# Altium PCB HSBNE-IO.PcbDoc (part 2 of 2)
Units mm, origin at the board's own origin, x right, y up, seen from the top; angles counter-clockwise.
Board outline 100.03 x 80.03 mm, 2 copper layers (Top Layer, Bottom Layer); 108 components, 162 nets, 597 pads, 281 vias.
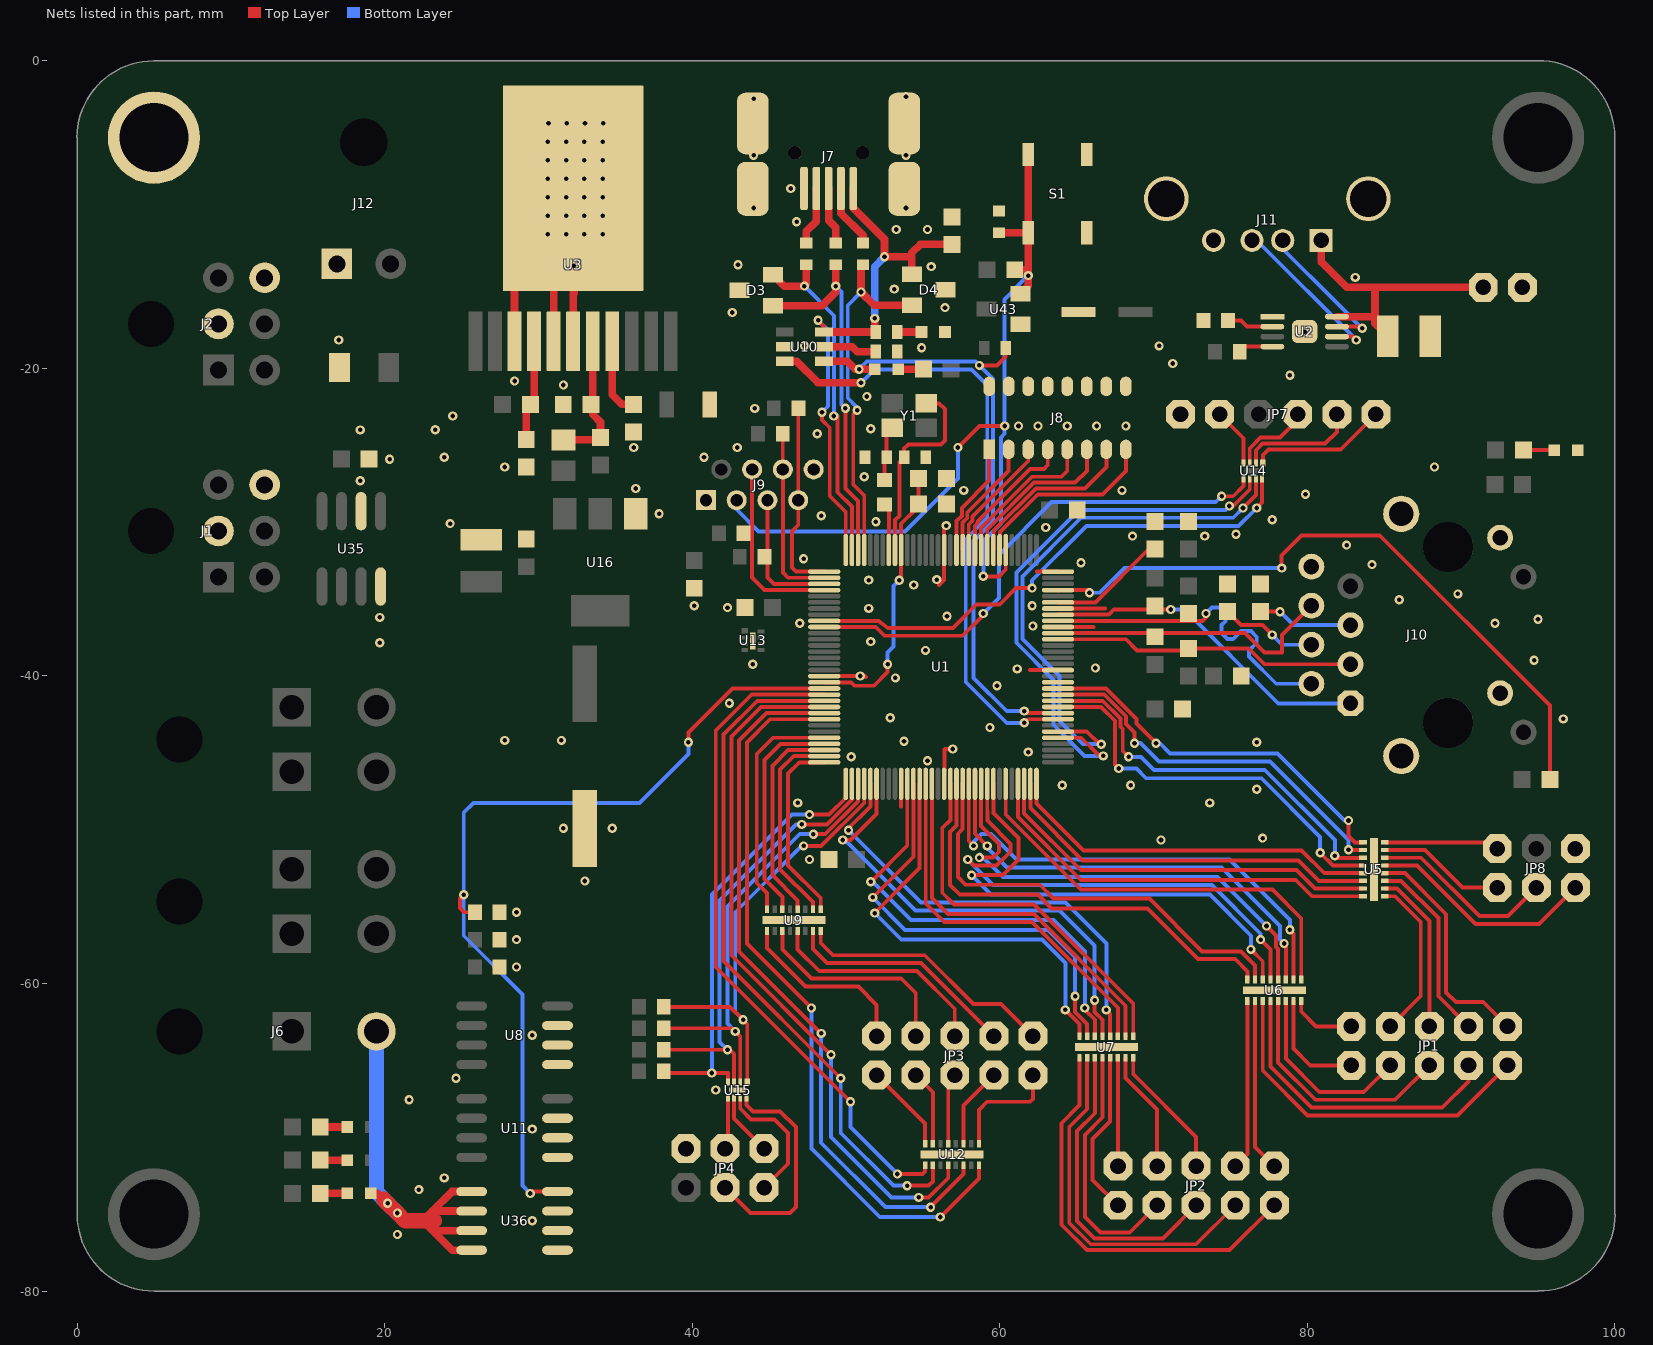
[diagram p2: the nets of this part, all layers, seen from the top]

## Via types
v1: diameter 0.6, hole 0.3, Top Layer to Bottom Layer, tented both sides, 248 vias
v2: diameter 0.6, hole 0.3, Top Layer to Bottom Layer, tented bottom, 33 vias

## Nets (pads, with @x,y where several pads share a name; then routed paths per layer and width w, separated by ;. In a path a pad name is that pad's centre, name@x,y a point inside that pad or via, vN(x,y) a via of type N, cw(c..) or ccw(c..) an arc to the next point about the centre after c; other vN are vias at no path point) (continued)
F\A\U\L\T\: D6.2 R4.1 U1.41 U10.4 | length 41.8
  Top Layer w0.254: v1(58.674,-19.812) 59.817,-19.812 60.39,-19.239 R4.1@60.39,-18.669 ; v1(61.595,-42.291) 61.725,-42.421 U1.41@63.785,-42.421
  Top Layer w0.5: U10.4@48.575,-19.543 50.084,-19.543 50.597,-20.056 v1(50.851,-20.056) D6.2@51.867,-20.056
  Bottom Layer w0.254: v1(50.851,-20.056) 51.349,-19.558 58.42,-19.558 v1(58.674,-19.812) 59.563,-20.701 59.563,-29.972 58.293,-31.242 58.293,-40.132 60.452,-42.291 v1(61.595,-42.291)
F_CTS: JP7.5 U14.4 | length 3.8
  Top Layer w0.254: JP7.5@74.295,-22.987 75.854,-24.546 U14.4@75.854,-26.145
F_RTS: JP7.1 U14.1 | length 9
  Top Layer w0.254: U14.1@77.104,-26.145 77.104,-25.639 77.47,-25.273 82.169,-25.273 JP7.1@84.455,-22.987
F_RX: JP7.3 U14.3 | length 5.2
  Top Layer w0.254: U14.3@76.254,-26.145 76.254,-25.219 76.962,-24.511 78.232,-24.511 79.375,-23.368 JP7.3@79.375,-22.987
F_TX: JP7.2 U14.2 | length 7.7
  Top Layer w0.254: U14.2@76.654,-26.145 76.654,-25.327 77.089,-24.892 81.153,-24.892 81.915,-24.13 JP7.2@81.915,-22.987
GND: C2.2 C3.1 C4.- C5.1 C6.- C7.2 C8.2 C9.2 C10.2 C11.1 C12.1 C14.1 C15.1 C16.1 C17.1 C18.1 C19.1 C20.1 C21.1 C22.1 C23.1 C24.1 C25.1 C26.1 D1.2 D2.2 D3.3 D4.3 J1.2 J1.6 J2.2 J2.6 J4.2 J7.5 J7.6 J7.7 J7.8 J7.9 J8.9 J8.10 J8.11 J8.12 J8.13 J8.14 J8.15 J8.16 J9.1 J9.8 J10.8 J10.10 J10.12 J10.GND1 J10.GND2 J11.4 J11.5 J11.6 J12.1 JP4.2 JP7.6 JP8.6 pad.@5,-5 R6.1 R8.1 R9.1 R21.1 R25.1 R26.1 R27.1 R28.1 S1.1 S1.2 U1.10 U1.17 U1.48 U1.55 U1.58 U1.64 U1.80 U1.114 U2.1 U2.9 U3.3 U3.5 U3.6 U3.12 U5.17 U6.17 U7.17 U8.1 U8.2 U8.3 U9.17 U10.2 U11.1 U11.2 U11.3 U12.17 U13.9 U15.9 U16.1 U35.2 U35.8 U36.1 U36.2 U36.3 U43.1 | length 41.2
  Top Layer w0.254: U1.114@48.585,-40.021 51.247,-40.021 51.293,-40.067 ; 53.585,-48.505 U1.10@53.585,-47.021 ; 56.058,-34.087 56.374,-33.771 56.374,-31.832 U1.80@56.385,-31.821 56.385,-30.229 56.388,-30.226 v1(56.515,-30.226) ; U1.17@56.385,-47.021 56.385,-46.188 56.396,-46.177 56.396,-44.798 ; 56.439,-44.755 v1(56.947,-44.755) ; 61.962,-39.61 63.785,-39.61 U1.48@63.785,-39.621 ; 62.41,-33.221 U1.64@63.785,-33.221 ; U1.55@63.785,-36.821 66.091,-36.821 ; U1.58@63.785,-35.621 66.843,-35.621
  Top Layer w0.5: U3.3@28.448,-18.241 U3.12@28.448,-12.101 ; U3.5@30.988,-18.241 U3.12@30.988,-9.561 ; U3.6@32.258,-18.241 U3.12@32.258,-14.275 ; 32.309,-15.119 v1(32.309,-13.335) U3.12@32.309,-12.309
  other v1: 20.828,-76.327 29.591,-75.438 22.225,-73.406 23.876,-72.644 29.591,-69.469 21.59,-67.564 41.529,-66.929 24.638,-66.167 29.591,-63.373 28.575,-58.928 28.575,-57.15 28.575,-55.372 33.02,-53.34 47.625,-51.943 70.485,-50.673 77.089,-50.546 31.623,-49.911 34.798,-49.911 46.863,-48.26 73.66,-48.26 76.708,-47.371 64.059,-47.107 68.504,-47.107 55.296,-45.517 50.343,-45.263 61.849,-44.958 76.708,-44.323 53.772,-44.247 27.813,-44.196 31.496,-44.196 59.36,-43.358 96.647,-42.799 52.883,-42.723 42.418,-41.783 59.817,-40.64 53.213,-40.132 50.927,-40.005 61.138,-39.548 66.218,-39.487 43.942,-39.243 94.742,-38.989 55.169,-38.344 19.685,-37.846 51.613,-37.77 62.154,-36.754 46.99,-36.576 92.202,-36.576 94.996,-36.322 19.685,-36.195 56.566,-36.119 51.486,-35.611 42.291,-35.56 40.132,-35.433 62.103,-35.433 85.979,-35.052 89.789,-34.671 54.407,-34.087 51.486,-33.772 55.9,-33.737 84.201,-32.766 65.278,-32.639 47.244,-32.385 82.55,-31.496 68.631,-30.912 73.33,-30.912 75.362,-30.785 62.992,-30.353 24.257,-30.099 51.943,-29.972 77.724,-29.845 48.387,-29.591 37.846,-29.464 79.883,-28.194 57.658,-27.94 67.945,-27.94 36.322,-27.813 18.415,-27.305 51.181,-27.051 27.813,-26.416 88.265,-26.416 20.32,-25.908 23.876,-25.781 40.767,-25.781 36.195,-25.146 42.926,-25.146 48.133,-24.257 18.415,-24.003 23.292,-23.993 51.613,-23.927 61.214,-23.749 62.484,-23.749 64.389,-23.749 66.294,-23.749 68.199,-23.749 24.435,-23.104 44.069,-22.606 51.359,-21.834 31.623,-21.082 28.448,-20.828 78.867,-20.447 71.247,-19.685 54.915,-18.659 47.295,-18.532 70.358,-18.542 17.018,-18.161 42.596,-16.373 56.439,-16.053 53.137,-14.849 83.109,-14.087 55.55,-13.386 42.977,-13.259 53.264,-10.973 55.296,-10.973 46.787,-10.465 46.406,-8.306 43.993,-6.147 53.899,-6.147
  other v2: 79.824,-17.612 30.616,-11.293 31.801,-11.293 32.986,-11.293 34.172,-11.293 30.616,-10.087 31.801,-10.087 32.986,-10.087 34.172,-10.087 43.993,-9.576 53.899,-9.576 30.616,-8.88 31.801,-8.88 32.986,-8.88 34.172,-8.88 30.616,-7.674 31.801,-7.674 32.986,-7.674 34.172,-7.674 30.616,-6.467 31.801,-6.467 32.986,-6.467 34.172,-6.467 30.616,-5.261 31.801,-5.261 32.986,-5.261 34.172,-5.261 30.658,-4.054 31.843,-4.054 33.029,-4.054 34.214,-4.054 43.993,-2.464 53.899,-2.337
I2C5CLK: R32.1 U1.1 U15.4 | length 28.6
  Top Layer w0.254: R32.1@38.148,-65.71 38.259,-65.821 v1(41.275,-65.821) 42.326,-65.821 U15.4@42.326,-66.404 ; v1(47.625,-49.022) 48.895,-49.022 49.985,-47.932 U1.1@49.985,-47.021
  Bottom Layer w0.254: v1(41.275,-65.821) 41.275,-54.229 46.482,-49.022 v1(47.625,-49.022)
I2C5CLKF: JP4.4 U15.5 | length 3.4
  Top Layer w0.254: JP4.4@42.134,-70.739 42.326,-70.547 U15.5@42.326,-67.454
I2C5SDA: R33.1 U1.2 U15.3 | length 28.8
  Top Layer w0.254: R33.1@38.148,-64.313 v1(42.291,-64.313) 42.469,-64.313 42.726,-64.57 U15.3@42.726,-66.404 ; v1(47.117,-49.657) 48.775,-49.657 50.134,-48.298 50.141,-48.298 50.362,-48.077 50.362,-48.063 50.385,-48.04 U1.2@50.385,-47.021
  Bottom Layer w0.254: v1(42.291,-64.313) 41.783,-63.805 41.783,-54.61 46.736,-49.657 v1(47.117,-49.657)
I2C5SDAF: JP4.6 U15.6 | length 4.1
  Top Layer w0.254: U15.6@42.726,-67.454 42.726,-68.791 JP4.6@44.674,-70.739
I2C8CLK: R37.1 U1.3 U15.2 | length 29
  Top Layer w0.254: R37.1@38.148,-62.916 42.596,-62.916 v1(42.799,-63.119) 43.126,-63.446 U15.2@43.126,-66.404 ; v1(47.879,-50.292) 48.648,-50.292 50.716,-48.224 50.716,-48.217 50.785,-48.148 U1.3@50.785,-47.021
  Bottom Layer w0.254: v1(42.799,-63.119) 42.291,-62.611 42.291,-54.991 46.99,-50.292 v1(47.879,-50.292)
I2C8CLKF: JP4.5 U15.7 | length 8.6
  Top Layer w0.254: U15.7@43.126,-67.454 43.126,-68.145 43.815,-68.834 45.339,-68.834 46.228,-69.723 46.228,-71.725 JP4.5@44.674,-73.279
I2C8SDA: R38.1 U1.4 U15.1 | length 29.4
  Top Layer w0.254: R38.1@38.148,-61.519 42.469,-61.519 v1(43.307,-62.357) 43.576,-62.626 U15.1@43.576,-66.404 ; v1(47.244,-51.054) 48.387,-51.054 51.185,-48.256 U1.4@51.185,-47.021
  Bottom Layer w0.254: v1(43.307,-62.357) 42.799,-61.849 42.799,-55.372 v1@47.18,-50.99
I2C8SDAF: JP4.3 U15.8 | length 14.9
  Top Layer w0.254: JP4.3@42.134,-73.279 43.785,-74.93 46.355,-74.93 46.736,-74.549 46.736,-69.342 45.72,-68.326 43.942,-68.326 43.526,-67.91 U15.8@43.526,-67.454
LINK-LED: R17.2 U1.61 | length 43.5
  Top Layer w0.254: U1.61@63.785,-34.421 63.808,-34.444 63.831,-34.421 65.663,-34.421 v1(65.837,-34.595) ; v1(78.328,-32.989) 78.328,-32.162 79.629,-30.861 84.709,-30.861 95.769,-41.921 R17.2@95.769,-46.736
  Bottom Layer w0.254: v1(65.837,-34.595) 66.497,-34.595 68.103,-32.989 v1(78.328,-32.989)
MC1: U1.32 U5.5 | length 24.4
  Top Layer w0.254: U1.32@62.385,-47.021 62.385,-48.288 65.456,-51.359 79.629,-51.359 81.098,-52.828 U5.5@83.628,-52.828
MC2: U1.25 U6.6 | length 32
  Top Layer w0.254: v1(58.166,-52.959) 60.198,-52.959 61.214,-51.943 61.214,-50.546 59.593,-48.925 59.593,-48.639 59.589,-48.635 59.589,-48.26 ; 59.585,-48.26 U1.25@59.585,-47.021 ; v1(76.327,-57.785) 77.101,-58.559 U6.6@77.101,-59.752
  Bottom Layer w0.254: v1(58.166,-52.959) 59.436,-54.229 73.66,-54.229 76.327,-56.896 v1(76.327,-57.785)
MC3: U1.31 U5.6 | length 25.2
  Top Layer w0.254: U1.31@61.985,-47.021 61.985,-48.589 65.39,-51.994 79.426,-51.994 80.76,-53.328 U5.6@83.628,-53.328
MC4: U1.24 U6.5 | length 32.6
  Top Layer w0.254: v1(57.912,-51.943) 58.312,-52.343 59.798,-52.343 60.706,-51.435 60.706,-50.927 59.189,-49.41 59.189,-48.806 ; 59.185,-48.806 U1.24@59.185,-47.021 ; v1(76.962,-57.15) 77.601,-57.789 U6.5@77.601,-59.752
  Bottom Layer w0.254: v1@57.963,-51.994 59.563,-53.594 73.787,-53.594 76.962,-56.769 v1(76.962,-57.15)
MC5: U1.30 U5.7 | length 26
  Top Layer w0.254: U1.30@61.585,-47.021 61.585,-48.951 65.263,-52.629 79.299,-52.629 80.498,-53.828 U5.7@83.628,-53.828
MC6: U1.23 U6.4 | length 30.9
  Top Layer w0.254: v1(58.674,-51.816) 59.563,-51.816 59.944,-51.435 59.944,-50.927 58.785,-49.768 U1.23@58.785,-47.021 ; v1(77.343,-56.261) 77.959,-56.877 77.959,-57.622 78.101,-57.764 U6.4@78.101,-59.752
  Bottom Layer w0.254: v1(58.674,-51.816) 58.674,-51.664 58.725,-51.613 60.198,-53.086 74.168,-53.086 v1(77.343,-56.261)
MC7: U1.29 U5.8 | length 26.7
  Top Layer w0.254: U1.29@61.185,-47.021 61.185,-49.186 65.263,-53.264 79.248,-53.264 80.312,-54.328 U5.8@83.628,-54.328
MC8: U1.22 U6.3 | length 29.3
  Top Layer w0.254: U1.22@58.385,-47.021 58.385,-50.257 v1(59.182,-51.054) ; v1(78.486,-57.404) 78.601,-57.519 U6.3@78.601,-59.752
  Bottom Layer w0.254: v1@59.112,-51.102 v1@59.123,-51.113 ; v1(59.182,-51.054) 59.182,-51.172 60.461,-52.451 74.422,-52.451 78.232,-56.261 78.232,-57.15 v1(78.486,-57.404)
MC9: U1.27 U6.1 | length 28
  Top Layer w0.254: U1.27@60.385,-47.021 60.385,-49.021 65.263,-53.899 77.724,-53.899 79.601,-55.776 U6.1@79.601,-59.752
MC10: U1.21 U6.2 | length 31.5
  Top Layer w0.254: U1.21@57.985,-47.021 57.985,-50.746 v1(58.293,-51.054) ; v1(78.867,-56.515) 79.101,-56.749 U6.2@79.101,-59.752
  Bottom Layer w0.254: v1(58.293,-51.054) 58.293,-50.79 58.801,-50.282 59.426,-50.282 61.087,-51.943 74.93,-51.943 78.867,-55.88 v1(78.867,-56.515)
MC11: U1.20 U6.7 | length 28.8
  Top Layer w0.254: U1.20@57.585,-47.021 57.585,-49.959 57.277,-50.267 57.277,-53.086 57.775,-53.584 62.601,-53.584 63.5,-54.483 69.723,-54.483 73.152,-57.912 75.692,-57.912 76.601,-58.821 U6.7@76.601,-59.752
MC12: U1.13 U7.8 | length 28.6
  Top Layer w0.254: v1(51.867,-55.423) 54.785,-52.505 U1.13@54.785,-47.021 ; v1(64.262,-61.722) 65.179,-62.639 U7.8@65.179,-63.435
  Bottom Layer w0.254: v1@51.867,-55.296 v1(51.867,-55.423) 53.594,-57.15 62.738,-57.15 64.262,-58.674 v1(64.262,-61.722)
MC13: U1.19 U6.8 | length 28.9
  Top Layer w0.254: U1.19@57.185,-47.021 57.185,-49.724 56.769,-50.14 56.769,-53.594 57.394,-54.219 62.474,-54.219 63.373,-55.118 69.596,-55.118 72.898,-58.42 75.311,-58.42 76.101,-59.21 U6.8@76.101,-59.752
MC14: U1.12 U7.7 | length 28.9
  Top Layer w0.254: v1(51.74,-54.407) 54.385,-51.762 U1.12@54.385,-47.021 ; v1(64.897,-60.833) 64.897,-61.849 65.679,-62.631 U7.7@65.679,-63.435
  Bottom Layer w0.254: v1@51.74,-54.271 v1(51.74,-54.407) 53.848,-56.515 63.119,-56.515 64.897,-58.293 v1(64.897,-60.833)
MC15: U1.18 U7.1 | length 24.8
  Top Layer w0.254: U1.18@56.785,-47.021 56.785,-49.362 56.261,-49.886 56.261,-54.102 57.013,-54.854 62.23,-54.854 68.679,-61.303 U7.1@68.679,-63.435
MC16: U1.11 U7.6 | length 28.9
  Top Layer w0.254: v1(51.613,-53.391) 53.985,-51.019 U1.11@53.985,-47.021 ; v1(65.532,-61.595) 65.532,-61.715 66.179,-62.362 U7.6@66.179,-63.435
  Bottom Layer w0.254: v1(51.613,-53.391) 51.758,-53.391 54.229,-55.862 63.482,-55.862 65.532,-57.912 v1(65.532,-61.595)
MC17: U1.15 U7.2 | length 24.9
  Top Layer w0.254: U1.15@55.585,-47.021 55.585,-54.442 56.632,-55.489 62.22,-55.489 68.179,-61.448 U7.2@68.179,-63.435
MC18: U1.6 U7.5 | length 30.2
  Top Layer w0.254: v1(49.784,-50.673) 50.292,-50.673 51.985,-48.98 U1.6@51.985,-47.021 ; v1(66.167,-61.087) 66.167,-61.849 66.679,-62.361 U7.5@66.679,-63.435
  Bottom Layer w0.254: v1(49.784,-50.673) 49.938,-50.673 54.51,-55.245 63.881,-55.245 66.167,-57.531 v1(66.167,-61.087)
MC19: U1.14 U7.3 | length 24.9
  Top Layer w0.254: U1.14@55.185,-47.021 55.185,-54.804 56.388,-56.007 62.103,-56.007 67.679,-61.583 U7.3@67.679,-63.435
MC20: U1.5 U7.4 | length 29.7
  Top Layer w0.254: v1(50.165,-50.038) 50.038,-50.038 51.585,-48.491 U1.5@51.585,-47.021 ; v1(66.929,-61.722) 67.179,-61.972 U7.4@67.179,-63.435
  Bottom Layer w0.254: v1(50.165,-50.038) 54.864,-54.737 64.262,-54.737 66.929,-57.404 v1(66.929,-61.722)
MC21: U1.128 U9.1 | length 12.4
  Top Layer w0.254: U9.1@48.359,-55.18 48.359,-54.455 46.228,-52.324 46.228,-46.355 46.962,-45.621 U1.128@48.585,-45.621
MC22: U1.121 U12.8 | length 48.4
  Top Layer w0.254: v1(47.752,-61.595) 43.561,-57.404 43.561,-44.323 45.063,-42.821 U1.121@48.585,-42.821 ; v1(56.134,-75.184) 58.646,-72.672 U12.8@58.646,-71.82
  Bottom Layer w0.254: v1(47.752,-61.595) 47.752,-70.739 52.197,-75.184 v1(56.134,-75.184)
MC23: U1.127 U9.2 | length 13.2
  Top Layer w0.254: U9.2@47.859,-55.18 47.859,-54.717 45.72,-52.578 45.72,-46.101 46.6,-45.221 U1.127@48.585,-45.221
MC24: U1.120 U12.6 | length 47.1
  Top Layer w0.254: v1(48.387,-63.246) 43.053,-57.912 43.053,-44.196 44.828,-42.421 U1.120@48.585,-42.421 ; v1(55.499,-74.549) 57.646,-72.402 U12.6@57.646,-71.82
  Bottom Layer w0.254: v1(48.387,-63.246) 48.387,-70.358 52.578,-74.549 v1(55.499,-74.549)
MC25: U1.126 U9.4 | length 13.8
  Top Layer w0.254: U9.4@46.859,-55.18 46.859,-54.606 45.212,-52.959 45.212,-45.847 46.238,-44.821 U1.126@48.585,-44.821
MC26: U1.119 U12.4 | length 46.2
  Top Layer w0.254: U1.119@48.585,-42.021 44.466,-42.021 42.545,-43.942 42.545,-58.166 v1(49.022,-64.643) ; v1(54.737,-73.914) 55.372,-73.914 56.646,-72.64 U12.4@56.646,-71.82
  Bottom Layer w0.254: v1(49.022,-64.643) 49.022,-69.977 52.959,-73.914 v1(54.737,-73.914)
MC27: U1.125 U9.6 | length 14.5
  Top Layer w0.254: U9.6@45.859,-55.18 45.859,-54.368 44.704,-53.213 44.704,-45.466 45.749,-44.421 U1.125@48.585,-44.421
MC28: U1.118 U12.2 | length 45.1
  Top Layer w0.254: U1.118@48.585,-41.621 44.231,-41.621 42.037,-43.815 42.037,-58.547 v1(49.657,-66.167) ; v1(53.975,-73.152) 55.372,-73.152 55.646,-72.878 U12.2@55.646,-71.82
  Bottom Layer w0.254: v1(49.657,-66.167) 49.657,-69.723 53.086,-73.152 v1(53.975,-73.152)
MC29: U1.124 U9.8 | length 15.2
  Top Layer w0.254: U9.8@44.859,-55.18 44.859,-54.13 44.196,-53.467 44.196,-45.085 45.26,-44.021 U1.124@48.585,-44.021
MC30: U1.117 U12.1 | length 44
  Top Layer w0.254: U1.117@48.585,-41.221 43.869,-41.221 41.529,-43.561 41.529,-58.928 v1(50.292,-67.691) ; v1(53.34,-72.39) 54.991,-72.39 55.146,-72.235 U12.1@55.146,-71.82
  Bottom Layer w0.254: v1(50.292,-67.691) 50.292,-69.342 v1(53.34,-72.39)
MF1: JP1.1 U5.12 | length 15.1
  Top Layer w0.254: U5.12@85.028,-52.828 86.356,-52.828 89.027,-55.499 89.027,-60.579 89.662,-61.214 91.44,-61.214 JP1.1@93.015,-62.789
MF2: JP1.2 U6.11 | length 23
  Top Layer w0.254: U6.11@77.101,-61.152 77.101,-65.671 80.01,-68.58 89.764,-68.58 JP1.2@93.015,-65.329
  Bottom Layer w0.254: JP1.2@93.015,-65.354 JP1.2@93.015,-65.329
MF3: JP1.3 U5.11 | length 12.3
  Top Layer w0.254: U5.11@85.028,-53.328 86.094,-53.328 88.519,-55.753 88.519,-60.833 JP1.3@90.475,-62.789
MF4: JP1.4 U6.12 | length 20
  Top Layer w0.254: U6.12@77.601,-61.152 77.601,-65.409 80.264,-68.072 88.773,-68.072 90.475,-66.37 JP1.4@90.475,-65.329
MF5: JP1.5 U5.10 | length 10.6
  Top Layer w0.254: U5.10@85.028,-53.828 85.832,-53.828 87.935,-55.931 JP1.5@87.935,-62.789
MF6: JP1.6 U6.13 | length 16.3
  Top Layer w0.254: U6.13@78.101,-61.152 78.101,-65.147 80.518,-67.564 85.7,-67.564 JP1.6@87.935,-65.329
  Bottom Layer w0.254: JP1.6@87.935,-65.862 JP1.6@87.935,-65.329
MF7: JP1.7 U5.9 | length 10.6
  Top Layer w0.254: U5.9@85.028,-54.328 85.697,-54.328 87.376,-56.007 87.376,-60.808 JP1.7@85.395,-62.789
MF8: JP1.8 U6.14 | length 12.1
  Top Layer w0.254: U6.14@78.601,-61.152 78.601,-64.885 80.772,-67.056 83.668,-67.056 JP1.8@85.395,-65.329
MF9: JP1.9 U6.16 | length 4.3
  Top Layer w0.254: U6.16@79.601,-61.152 79.601,-61.821 80.569,-62.789 JP1.9@82.855,-62.789
MF10: JP1.10 U6.15 | length 7.3
  Top Layer w0.254: U6.15@79.101,-61.152 79.101,-64.242 80.188,-65.329 JP1.10@82.855,-65.329
MF11: JP2.1 U6.10 | length 11.2
  Top Layer w0.254: U6.10@76.601,-61.152 76.601,-70.632 JP2.1@77.851,-71.882
MF12: JP2.2 U7.9 | length 27.1
  Top Layer w0.254: U7.9@65.179,-64.835 65.179,-67.917 64.008,-69.088 64.008,-75.692 65.659,-77.343 74.93,-77.343 JP2.2@77.851,-74.422
MF13: JP2.3 U6.9 | length 11.1
  Top Layer w0.254: JP2.3@75.311,-71.882 76.101,-71.092 U6.9@76.101,-61.152
MF14: JP2.4 U7.10 | length 23.6
  Top Layer w0.254: U7.10@65.679,-64.835 65.679,-68.179 64.516,-69.342 64.516,-75.565 65.913,-76.962 72.771,-76.962 JP2.4@75.311,-74.422
MF15: JP2.5 U7.16 | length 8.7
  Top Layer w0.254: U7.16@68.679,-64.835 68.679,-65.885 72.771,-69.977 JP2.5@72.771,-71.882
MF16: JP2.6 U7.11 | length 20.2
  Top Layer w0.254: U7.11@66.179,-64.835 66.179,-68.441 65.024,-69.596 65.024,-75.438 66.167,-76.581 70.612,-76.581 JP2.6@72.771,-74.422
MF17: JP2.7 U7.15 | length 7.9
  Top Layer w0.254: U7.15@68.179,-64.835 68.179,-66.147 70.231,-68.199 JP2.7@70.231,-71.882
MF18: JP2.8 U7.12 | length 16.7
  Top Layer w0.254: U7.12@66.679,-64.835 66.679,-68.703 65.532,-69.85 65.532,-75.184 66.548,-76.2 68.453,-76.2 JP2.8@70.231,-74.422
MF19: JP2.9 U7.14 | length 7.1
  Top Layer w0.254: U7.14@67.679,-64.835 67.679,-71.87 JP2.9@67.691,-71.882
MF20: JP2.10 U7.13 | length 10.7
  Top Layer w0.254: U7.13@67.179,-64.835 67.179,-68.965 66.04,-70.104 66.04,-72.771 JP2.10@67.691,-74.422
MF21: JP3.1 U9.16 | length 17.1
  Top Layer w0.254: U9.16@48.359,-56.58 48.359,-57.376 49.149,-58.166 50.419,-58.166 55.118,-58.166 58.293,-61.341 60.071,-61.341 JP3.1@62.154,-63.424
MF22: JP3.2 U12.9 | length 7.5
  Top Layer w0.254: U12.9@58.646,-70.42 58.646,-68.227 59.182,-67.691 61.976,-67.691 62.154,-67.513 JP3.2@62.154,-65.964
MF23: JP3.3 U9.15 | length 15.3
  Top Layer w0.254: U9.15@47.859,-56.58 47.859,-57.765 48.768,-58.674 50.038,-58.674 54.864,-58.674 JP3.3@59.614,-63.424
MF24: JP3.4 U12.11 | length 5.3
  Top Layer w0.254: U12.11@57.646,-70.42 57.646,-67.932 JP3.4@59.614,-65.964
MF25: JP3.5 U9.13 | length 14.8
  Top Layer w0.254: U9.13@46.859,-56.58 46.859,-57.781 48.26,-59.182 54.61,-59.182 57.074,-61.646 JP3.5@57.074,-63.424
MF26: JP3.6 U12.13 | length 4.6
  Top Layer w0.254: U12.13@56.646,-70.42 56.646,-66.392 JP3.6@57.074,-65.964
MF27: JP3.7 U9.11 | length 13.9
  Top Layer w0.254: U9.11@45.859,-56.58 45.859,-57.797 47.752,-59.69 53.594,-59.69 54.534,-60.63 JP3.7@54.534,-63.424
MF28: JP3.8 U12.15 | length 4.9
  Top Layer w0.254: JP3.8@54.534,-65.964 55.646,-67.076 U12.15@55.646,-70.42
MF29: JP3.9 U9.9 | length 11.8
  Top Layer w0.254: U9.9@44.859,-56.58 44.859,-57.686 47.371,-60.198 50.8,-60.198 51.994,-61.392 JP3.9@51.994,-63.424
MF30: JP3.10 U12.16 | length 5.8
  Top Layer w0.254: JP3.10@51.994,-65.964 55.146,-69.116 U12.16@55.146,-70.42
NetC1_1: C1.1 R7.2 R9.2 U3.7 | length 8.9
  Top Layer w0.5: C1.1@31.623,-24.654 33.882,-24.654 R7.2@34.036,-24.5 34.036,-23.495 33.528,-22.987 U3.7@33.528,-18.241
NetC2_1: C2.1 J10.4 | length 6.4
  Top Layer w0.254: C2.1@74.803,-35.825 75.681,-36.703 77.089,-36.703 v1(77.724,-37.338)
  Bottom Layer w0.254: v1(77.724,-37.338) 78.359,-37.973 J10.4@80.264,-37.973
NetC3_2: C3.2 U3.8 | length 5.1
  Top Layer w0.5: U3.8@34.798,-18.241 34.798,-21.717 35.422,-22.341 C3.2@36.195,-22.341
NetC9_1: C9.1 J10.5 | length 6.2
  Top Layer w0.254: C9.1@76.962,-35.825 v1(78.221,-35.825)
  Bottom Layer w0.254: v1(78.221,-35.825) 79.099,-36.703 J10.5@82.804,-36.703
NetC25_2: C25.2 R20.2 Y1.1 | length 3.6
  Top Layer w0.254: R20.2@52.502,-27.257 52.502,-25.922 C25.2@52.643,-25.781 52.643,-24.243 Y1.1@53.01,-23.876
NetC26_2: C26.2 U1.88 Y1.3 | length 13.1
  Top Layer w0.254: U1.88@53.185,-31.821 53.185,-29.873 53.467,-29.591 53.467,-26.097 C26.2@53.783,-25.781 53.783,-25.211 54.051,-24.943 56.185,-24.943 56.439,-24.689 56.439,-22.657 56.058,-22.276 Y1.3@55.21,-22.276
NetD1_1: D1.1 R34.1 | length 2
  Top Layer w0.254: R34.1@94.042,-25.324 D1.1@96.063,-25.324
NetD2_1: D2.1 R2.1 | length 1.6
  Top Layer w0.5: R2.1@53.329,-17.643 D2.1@54.915,-17.643
NetD6_1: D6.1 R5.1 | length 1.6
  Top Layer w0.5: D6.1@53.391,-20.056 R5.1@55.031,-20.056
NetD7_1: D7.1 R11.1 | length 1.8
  Top Layer w0.5: R11.1@15.81,-71.491 D7.1@17.577,-71.491
NetD8_1: D8.1 R12.1 | length 1.8
  Top Layer w0.5: R12.1@15.81,-73.65 D8.1@17.577,-73.65
NetD9_1: D9.1 R30.1 | length 1.8
  Top Layer w0.5: R30.1@15.81,-69.332 D9.1@17.577,-69.332
NetJ7_2: J7.2 L1.2 | length 4.1
  Top Layer w0.5: J7.2@49.67,-8.306 49.67,-9.919 51.105,-11.354 L1.2@51.105,-11.859
NetJ7_3: J7.3 L2.2 | length 3.7
  Top Layer w0.5: J7.3@48.87,-8.306 48.87,-10.389 49.327,-10.846 L2.2@49.327,-11.859
NetJ7_4: J7.4 L3.2 | length 3.8
  Top Layer w0.5: L3.2@47.422,-11.859 47.422,-11.1 48.07,-10.452 J7.4@48.07,-8.306
NetJ8_1: J8.1 U1.78 | length 7.4
  Top Layer w0.254: U1.78@57.185,-31.821 57.185,-29.937 57.531,-29.591 57.531,-29.083 59.309,-27.305 J8.1@59.309,-25.273
NetJ8_2: J8.2 U1.77 | length 7.8
  Top Layer w0.254: U1.77@57.585,-31.821 57.585,-30.038 57.885,-29.738 57.885,-29.364 60.579,-26.67 J8.2@60.579,-25.273
NetJ8_3: J8.3 U1.76 | length 8.1
  Top Layer w0.254: U1.76@57.985,-31.821 57.985,-30.138 58.239,-29.884 58.239,-29.645 61.849,-26.035 J8.3@61.849,-25.273
NetJ8_4: J8.4 U1.75 | length 9
  Top Layer w0.254: U1.75@58.385,-31.821 58.385,-30.239 58.593,-30.031 58.593,-29.926 61.976,-26.543 62.865,-26.543 63.119,-26.289 J8.4@63.119,-25.273
NetJ8_5: J8.5 U1.74 | length 10
  Top Layer w0.254: U1.74@58.785,-31.821 58.785,-30.369 62.103,-27.051 64.008,-27.051 64.389,-26.67 J8.5@64.389,-25.273
NetJ8_6: J8.6 U1.73 | length 10.8
  Top Layer w0.254: U1.73@59.185,-31.821 59.185,-30.477 62.23,-27.432 64.897,-27.432 65.659,-26.67 J8.6@65.659,-25.273
NetJ8_7: J8.7 U1.72 | length 11.5
  Top Layer w0.254: U1.72@59.585,-31.821 59.608,-31.798 59.608,-30.555 62.35,-27.813 65.532,-27.813 66.929,-26.416 J8.7@66.929,-25.273
NetJ8_8: J8.8 U1.71 | length 12.4
  Top Layer w0.254: U1.71@59.985,-31.821 60.008,-31.798 60.008,-30.655 62.469,-28.194 66.675,-28.194 68.199,-26.67 J8.8@68.199,-25.273
NetR1_1: R1.1 R8.2 U3.4 | length 6.6
  Top Layer w0.5: R8.2@29.21,-24.627 29.21,-22.617 R1.1@29.475,-22.352 29.718,-22.109 U3.4@29.718,-18.241
NetR3_2: R3.2 U2.4 | length 2.3
  Top Layer w0.254: R3.2@75.603,-18.923 75.939,-18.587 U2.4@77.724,-18.587
NetR6_2: R6.2 U10.5 | length 3.5
  Top Layer w0.5: U10.5@48.565,-18.593 50.404,-18.593 50.724,-18.913 R6.2@51.929,-18.913
NetR20_1: R20.1 U1.89 | length 3.1
  Top Layer w0.254: R20.1@52.502,-28.857 52.785,-29.14 U1.89@52.785,-31.821
NetR21_2: R21.2 U2.2 | length 3
  Top Layer w0.254: R21.2@74.841,-16.891 75.692,-16.891 76.088,-17.287 U2.2@77.724,-17.287
NetR25_2: R25.2 U1.59 | length 7.8
  Top Layer w0.254: U1.59@63.785,-35.221 66.227,-35.221 69.687,-31.761 R25.2@70.104,-31.761
NetU1_46: U1.46
R\S\T\: C24.2 J9.3 R19.1 S1.3 S1.4 U1.70 U43.2 | length 58.7
  Top Layer w0.254: v1(57.277,-25.146) 58.674,-23.749 v1(60.325,-23.749) ; v1(58.928,-33.528) 59.944,-33.528 60.385,-33.087 U1.70@60.385,-31.821 U1.70@60.408,-31.798
  Top Layer w0.5: C24.2@59.944,-11.179 61.846,-11.179 61.846,-13.589 ; R19.1@60.971,-13.589 61.846,-13.589 ; U43.2@61.341,-15.145 61.846,-14.64 v1(61.846,-13.97) ; 61.846,-14.305 v1(61.846,-13.97) ; S1.4@61.849,-11.176 S1.3@61.849,-6.096 ; v1(61.846,-13.97) 61.846,-13.589
  Bottom Layer w0.254: J9.3@42.894,-28.575 42.894,-29.178 44.323,-30.607 53.848,-30.607 57.277,-27.178 v1(57.277,-25.146) ; v1(58.928,-33.528) 58.928,-31.242 60.071,-30.099 60.071,-24.488 60.302,-24.257 60.302,-15.514 v1(61.846,-13.97)
RX_N: J10.6 R14.1 U1.54 | length 18.9
  Top Layer w0.254: U1.54@63.785,-37.221 69.088,-37.221 75.184,-37.221 75.946,-37.221 77.206,-38.481 78.359,-38.481 78.359,-37.338 J10.6@80.264,-35.433
RX_P: J10.3 R15.1 U1.53 | length 19.8
  Top Layer w0.254: U1.53@63.785,-37.621 68.199,-37.621 68.932,-38.354 72.125,-38.354 R15.1@72.263,-38.216 76.189,-38.216 77.216,-39.243 J10.3@82.804,-39.243
SOL_EN: R28.2 U1.116 U36.4 | length 58.1
  Top Layer w0.254: v1(25.146,-54.229) 24.892,-54.483 24.892,-55.095 25.169,-55.372 R28.2@25.87,-55.372 ; v1(29.464,-73.66) 29.591,-73.533 U36.4@31.242,-73.533 ; v1(39.751,-44.323) 39.751,-43.688 42.618,-40.821 U1.116@48.585,-40.821
  Bottom Layer w0.254: v1(29.464,-73.66) 28.956,-73.152 28.956,-60.706 25.146,-56.896 v1(25.146,-54.229) 25.146,-48.895 25.781,-48.26 36.576,-48.26 39.751,-45.085 v1(39.751,-44.323)
SOL_GND: D8.2 J6.2 U36.5 U36.6 U36.7 U36.8 | length 29.2
  Top Layer w0.5: D8.2@19.101,-73.65 19.548,-73.65 19.939,-74.041 ; 22.857,-75.054 23.108,-74.803 ; 22.863,-75.816 23.12,-76.073 ; U36.8@25.654,-77.343 24.39,-77.343 23.12,-76.073 ; U36.7@25.654,-76.073 23.12,-76.073 ; U36.6@25.654,-74.803 23.108,-74.803 ; U36.5@25.654,-73.533 24.378,-73.533 23.108,-74.803
  Top Layer w1: 19.939,-74.041 v1(20.193,-74.295) v1(20.828,-74.93) 21.336,-75.438 23.241,-75.438
  Bottom Layer w1: J6.2@19.47,-63.119 19.47,-73.572 v1(20.193,-74.295) v1(20.828,-74.93)
TCK: J9.4 R29.1 U1.100 | length 12.1
  Top Layer w0.254: J9.4@43.894,-26.575 43.894,-33.607 44.708,-34.421 U1.100@48.585,-34.421
TDI: J9.6 R36.2 U1.98 | length 11.9
  Top Layer w0.254: J9.6@45.885,-26.566 R36.2@45.885,-24.257 ; J9.6@45.894,-26.575 45.894,-33.287 46.228,-33.621 U1.98@48.585,-33.621
TDO: J9.7 R35.2 U1.97 | length 12.7
  Top Layer w0.254: R35.2@46.894,-22.613 J9.7@46.894,-28.575 46.894,-30.195 46.482,-30.607 46.482,-32.959 46.744,-33.221 U1.97@48.585,-33.221
TFCLK: JP8.2 U5.16 | length 8.2
  Top Layer w0.254: U5.16@85.028,-50.828 91.946,-50.828 JP8.2@92.35,-51.232 JP8.2@91.838,-51.744
TFR0: JP8.1 U5.15 | length 8.3
  Top Layer w0.254: U5.15@85.028,-51.328 87.65,-51.328 90.094,-53.772 JP8.1@92.35,-53.772
TFR1: JP8.3 U5.14 | length 12.2
  Top Layer w0.254: U5.14@85.028,-51.828 87.388,-51.828 91.186,-55.626 93.036,-55.626 JP8.3@94.89,-53.772
TFR2: JP8.5 U5.13 | length 15.5
  Top Layer w0.254: U5.13@85.028,-52.328 87.126,-52.328 90.932,-56.134 95.068,-56.134 JP8.5@97.43,-53.772
  Bottom Layer w0.254: JP8.5@97.43,-54.335 JP8.5@97.43,-53.772
TMS: J9.5 R31.1 U1.99 | length 8.9
  Top Layer w0.254: J9.5@44.894,-28.575 44.894,-33.591 45.324,-34.021 U1.99@48.585,-34.021
TRCLK: U1.45 U5.1 | length 24.8
  Top Layer w0.254: U1.45@63.785,-40.821 66.895,-40.821 68.885,-42.811 68.885,-43.105 v1(70.155,-44.375) ; v1(82.677,-49.403) 82.677,-50.419 83.086,-50.828 U5.1@83.628,-50.828
  Bottom Layer w0.254: v1(70.155,-44.375) 70.4,-44.375 71.065,-45.04 78.06,-45.04 82.423,-49.403 v1(82.677,-49.403)
TRD0: U1.44 U5.2 | length 25.1
  Top Layer w0.254: U1.44@63.785,-41.221 66.794,-41.221 68.196,-42.623 68.196,-43.116 68.758,-43.678 v1(68.758,-44.374) ; v1@82.697,-51.328 U5.2@83.628,-51.328
  Bottom Layer w0.254: v1(68.758,-44.374) 69.139,-44.374 70.344,-45.579 77.583,-45.579 82.677,-50.673 v1(82.677,-51.308)
TRD1: U1.43 U5.3 | length 25.8
  Top Layer w0.254: U1.43@63.785,-41.621 66.694,-41.621 67.842,-42.769 67.842,-43.3 67.996,-43.454 67.996,-44.882 v1(68.377,-45.263) ; v1(81.788,-51.689) 81.934,-51.835 83.621,-51.835 U5.3@83.628,-51.828
  Bottom Layer w0.254: v1(68.377,-45.263) 69.178,-45.263 70.032,-46.117 77.232,-46.117 81.788,-50.673 v1(81.788,-51.689)
TRD2: U1.42 U5.4 | length 26.4
  Top Layer w0.254: U1.42@63.785,-42.021 66.593,-42.021 67.488,-42.916 67.488,-45.771 v1(67.742,-46.025) ; v1(80.835,-51.498) 81.665,-52.328 U5.4@83.628,-52.328
  Bottom Layer w0.254: v1(67.742,-46.025) 68.885,-46.025 69.516,-46.656 77.009,-46.656 80.835,-50.482 v1(80.835,-51.498)
TX_N: J10.2 R16.1 U1.56 | length 22.1
  Top Layer w0.254: U1.56@63.785,-36.421 67.078,-36.421 73.18,-36.421 73.406,-36.195 v1(73.406,-35.941)
  Bottom Layer w0.254: v1(73.406,-35.941) 73.787,-35.56 74.422,-35.56 74.676,-35.814 74.676,-36.449 74.422,-36.703 74.422,-37.211 74.803,-37.592 75.184,-37.592 75.692,-37.084 76.327,-37.084 76.708,-37.465 76.708,-37.846 76.2,-38.354 76.2,-38.735 77.978,-40.513 J10.2@80.264,-40.513
TX_P: J10.1 R13.1 U1.57 | length 21.7
  Top Layer w0.254: U1.57@63.785,-36.021 67.078,-36.021 67.158,-35.941 67.412,-35.687 v1(71.12,-35.687)
  Bottom Layer w0.254: v1(71.12,-35.687) 72.009,-35.687 78.105,-41.783 J10.1@82.804,-41.783
U3CTS: U1.106 U14.5 | length 33.7
  Top Layer w0.254: U1.106@48.585,-36.821 51.934,-36.821 52.502,-37.389 57.582,-37.389 58.928,-36.043 v1(58.928,-35.941) ; v1(74.422,-28.321) 75.184,-28.321 75.854,-27.651 U14.5@75.854,-27.195
  Bottom Layer w0.254: v1(58.928,-35.941) 59.944,-34.925 59.944,-32.131 63.373,-28.702 74.041,-28.702 v1(74.422,-28.321)
U3RTS: U1.105 U14.8 | length 33.8
  Top Layer w0.254: U1.105@48.585,-36.421 52.1,-36.421 52.712,-36.881 56.947,-36.881 58.471,-35.357 59.995,-35.357 61.062,-34.29 v1(62.103,-34.29) ; v1(76.708,-29.083) 77.054,-28.737 U14.8@77.054,-27.195
  Bottom Layer w0.254: v1(62.103,-34.29) 62.103,-33.782 65.627,-30.258 75.533,-30.258 v1(76.708,-29.083)
U3RX: U1.37 U14.6 | length 36.5
  Top Layer w0.254: U1.37@63.785,-44.021 65.037,-44.021 ; 65.037,-44.025 65.295,-44.025 66.472,-45.202 v1(66.726,-45.202) ; v1(74.93,-28.956) 75.184,-28.956 76.254,-27.886 U14.6@76.254,-27.195
  Bottom Layer w0.254: v1(66.726,-45.202) 65.522,-45.202 63.5,-43.18 63.5,-40.259 61.087,-37.846 61.087,-33.274 65.151,-29.21 74.676,-29.21 v1(74.93,-28.956)
U3TX: U1.38 U14.7 | length 35.3
  Top Layer w0.254: U1.38@63.785,-43.621 65.653,-43.621 66.472,-44.44 v1(66.599,-44.44) ; v1(75.819,-29.083) 76.654,-28.248 U14.7@76.654,-27.195
  Bottom Layer w0.254: v1(66.599,-44.44) 65.395,-44.44 63.881,-42.926 63.881,-40.005 61.468,-37.592 61.468,-33.528 65.278,-29.718 75.184,-29.718 v1(75.819,-29.083)
USB_ID: D3.2 L3.1 U1.95 | length 22.4
  Top Layer w0.254: v1(49.2,-23.104) 49.454,-23.104 49.454,-28.057 50.385,-28.988 U1.95@50.385,-31.821
  Top Layer w0.5: D3.2@45.263,-13.926 45.993,-14.656 v1(47.295,-14.656) 47.422,-14.529 L3.1@47.422,-13.259
  Bottom Layer w0.254: v1(47.295,-14.656) 49.223,-16.584 49.223,-23.081 v1(49.2,-23.104)
USB_N: D4.2 L1.1 U1.93 | length 23.3
  Top Layer w0.254: v1(50.724,-22.723) 50.47,-22.977 50.47,-27.549 51.185,-28.264 U1.93@51.185,-31.821
  Top Layer w0.5: L1.1@51.105,-13.259 50.978,-13.386 v1(50.978,-15.037) 51.835,-15.894 D4.2@54.28,-15.894
  Bottom Layer w0.254: v1(50.724,-22.723) 50.724,-22.542 50.112,-21.93 50.112,-15.903 v1(50.978,-15.037)
USB_P: D3.1 L2.1 U1.94 | length 24
  Top Layer w0.254: v1(49.962,-22.596) 49.962,-27.803 50.785,-28.626 U1.94@50.785,-31.821
  Top Layer w0.5: D3.1@45.263,-15.926 48.438,-15.926 49.327,-15.037 v1(49.327,-14.656) L2.1@49.327,-13.259
  Bottom Layer w0.254: v1(49.327,-14.656) 49.708,-15.037 49.708,-22.342 v1(49.962,-22.596)
USB_VBUS: C5.2 D4.1 J7.1 R2.2 U1.96 U10.6 | length 37
  Top Layer w0.254: v1(48.184,-16.881) 48.575,-17.272 U10.6@48.575,-17.643 ; v1(48.438,-22.85) 48.438,-23.358 48.946,-23.866 48.946,-28.311 49.985,-29.35 U1.96@49.985,-31.821
  Top Layer w0.5: U10.6@48.575,-17.643 R2.2@51.929,-17.643 ; J7.1@50.47,-8.306 50.47,-9.576 52.502,-11.608 v1(52.502,-12.751) 54.214,-12.751 54.28,-12.817 ; R2.2@51.867,-17.581 v1(51.867,-16.754) ; D4.1@54.28,-13.894 54.28,-12.817 ; C5.2@57.19,-11.928 54.849,-11.928 54.28,-12.497 54.28,-12.817
  Bottom Layer w0.254: v1(48.184,-16.881) 48.819,-17.516 48.819,-22.469 v1(48.438,-22.85)
  Bottom Layer w0.5: v1(51.867,-16.754) 51.867,-13.386 v1(52.502,-12.751)
USB_VBUSEN: U1.40 U10.3 | length 41.6
  Top Layer w0.254: v1(61.595,-43.053) 61.827,-42.821 U1.40@63.785,-42.821
  Top Layer w0.5: U10.3@46.025,-19.543 46.782,-19.543 48.184,-20.945 v1(50.978,-20.945)
  Bottom Layer w0.254: v1(50.978,-20.945) 51.857,-20.066 58.166,-20.066 59.182,-21.082 59.182,-29.718 57.785,-31.115 57.785,-40.386 60.452,-43.053 v1(61.595,-43.053)
V_D+: J11.3 U2.6 | length 10.8
  Top Layer w0.254: U2.6@81.924,-17.937 82.961,-17.937 v1(83.185,-18.161)
  Bottom Layer w0.254: J11.3@76.399,-11.684 76.708,-11.684 v1(83.185,-18.161)
V_D-: J11.2 U2.7 | length 9.5
  Top Layer w0.254: U2.7@81.924,-17.287 83.454,-17.287 v1(83.566,-17.399)
  Bottom Layer w0.254: J11.2@78.399,-11.684 78.399,-12.232 81.899,-15.732 v1(83.566,-17.399)
VBUS: C10.1 J4.1 J11.1 U2.8 | length 18.6
  Top Layer w0.5: J11.1@80.899,-11.684 80.899,-13.081 82.555,-14.737 84.394,-14.737 84.399,-14.732 ; U2.8@81.924,-16.637 84.399,-16.637 ; C10.1@85.239,-17.907 84.399,-17.067 84.399,-16.637 ; J4.1@91.44,-14.732 84.399,-14.732 ; 84.399,-16.637 84.399,-14.732
VDDC: C22.2 C23.2 U1.87 U1.115 | length 18
  Top Layer w0.254: U1.115@48.585,-40.421 50.327,-40.421 50.546,-40.64 51.816,-40.64 52.705,-39.751 v1(52.705,-39.243) ; v1(53.467,-33.782) 53.585,-33.664 U1.87@53.585,-31.821 53.585,-30.108 C23.2@54.483,-29.21 ; C23.2@54.726,-29.21 C22.2@54.726,-27.686 ; C22.2@54.726,-27.432 C22.2@54.726,-27.686 ; C22.2@54.98,-27.432 C22.2@54.726,-27.686
  Bottom Layer w0.254: v1(52.705,-39.243) 52.705,-38.481 53.086,-38.1 53.086,-34.163 v1(53.467,-33.782)
pads on no net: J1.7 J2.7 J3.A J5.A J6.A J7.X J7.Y J10. J10.7 J12.0 JP7.4 U1.9 U1.35 U1.36 U1.49 U1.50 U1.60 U1.65 U1.66 U1.67 U1.81 U1.82 U1.83 U1.84 U1.85 U1.86 U1.91 U1.92 U1.102 U1.103 U1.104 U1.123 U3.9 U9.3 U9.5 U9.7 U9.10 U9.12 U9.14 U12.3 U12.5 U12.7 U12.10 U12.12 U12.14 U14.9 Y1.2 Y1.4

## Polygon pours and split planes (outlines as drawn)
GND on Bottom Layer "Keep-Out Layer-No Net" (solid, remove dead copper, pour order 33): 100,-80 0,-80 0,0 100,0
GND on Top Layer "Keep-Out Layer-No Net" (solid, remove dead copper, pour order 29): 100,-80 100,0 0,0 0,-80
26V on Top Layer "26V_L01_P019" (solid, remove dead copper, pour order 19): 18.796,-11.43 18.796,-21.209 19.304,-21.717 25.019,-21.717 26.797,-23.495 28.448,-23.495 28.448,-21.463 27.686,-20.701 27.686,-15.367 24.892,-15.367 20.955,-11.43
5V on Top Layer "5V_L01_P013" (solid, remove dead copper, pour order 13): 36.957,-23.876 36.957,-15.875 40.83,-12.002 41.571,-12.742 39.566,-22.77 39.076,-23.876

## Keep-outs
Keep-Out Layer:
  lines w0.1: -0.013,-5.004 cw(c4.987,-5.004) 4.987,-0.004 ; 0,-75 0,-5 ; 0.004,-75.013 ccw(c5.004,-75.013) 5.004,-80.013 ; 5,0 95,0 ; 5.381,-80 95.381,-80 ; 94.996,0.013 cw(c94.996,-4.987) 99.996,-4.987 ; 95.013,-79.996 ccw(c95.013,-74.996) 100.013,-74.996 ; 100,-77.921 100,-7.921

## Other copper
Top Layer:
  region net GND: 44.882,-4.623 42.977,-4.623 42.977,-8.052 44.882,-8.052
  region net GND: 54.661,-4.242 53.01,-4.242 53.01,-8.56 54.661,-8.56
  region net GND: 53.518,-3.099 44.247,-3.099 44.247,-5.004 53.518,-5.004
  region net GND: 36.373,-4.943 27.991,-4.943 27.991,-10.15 36.373,-10.15
  region net GND: 34.341,-2.403 30.15,-2.403 30.15,-12.436 34.341,-12.436

## Silkscreen, mask and mechanical layers (free items; w line width, h text height)
Top Overlay:
  circle w0.6: c50.47,-21.58 r0.15
  circle w0.6: c44.628,-17.77 r0.15
  lines w0.254: 69.515,-62.57 70.277,-62.697 70.658,-63.459 70.15,-64.094 70.658,-64.592 71.293,-64.221 71.674,-64.348 72.08,-63.078 cw(c72.589,-62.256) 73.025,-63.119 73.452,-64.348 73.769,-64.16 74.468,-64.602 74.91,-64.089 74.519,-63.475 74.849,-62.697 75.611,-62.57 75.611,-61.935 74.722,-61.681 74.468,-60.919 74.976,-60.284 74.463,-59.771 73.706,-60.284 73.071,-60.035 72.944,-59.268 72.182,-59.273 72.055,-60.051 71.404,-60.315 70.706,-59.868 70.213,-60.361 70.627,-61.041 70.404,-61.681 69.515,-61.935 69.515,-62.57
  lines w0.5: 11.1,-74.285 11.1,-74.031 11.1,-73.523 ; 11.227,-73.65 11.227,-74.158 11.862,-73.523 11.1,-73.523 ; 12.751,-75.174 11.1,-73.523
  text "RESET" at 61.595,-4.699 h1
  text "26V IN" at 15.621,-15.748 h1
  text "+ / -" at 16.51,-15.875 h2 r270
  text "FTDI" at 82.804,-21.209 h1
  text "GND" at 70.866,-21.336 h1
  text "CAN" at 12.243,-22.403 h1 r270
  text "Designed By Luke Hovington" at 61.595,-55.88 h1
  text "MISC-IO" at 91.44,-57.023 h1
  text "For Hackerspace Brisbane V1.1" at 61.595,-57.658 h1
  text "INPUT" at 60.452,-58.039 h4
  text "1" at 92.71,-60.452 h2
  text "9" at 82.423,-60.579 h2
  text "21" at 60.325,-61.341 h2
  text "29" at 50.165,-61.468 h2
  text "open hardware" at 66.225,-66.46 h2
  text "+ / -" at 18.923,-68.199 h2 r90
  text "I2C" at 37.084,-68.58 h0.9
  text "10" at 81.915,-69.469 h2
  text "11" at 76.708,-69.723 h2
  text "19" at 65.862,-69.926 h2
  text "30" at 49.911,-70.104 h2
  text "22" at 60.579,-70.104 h2
  text "12V" at 10.414,-78.359 h2
  text "20" at 65.659,-78.613 h2
  text "12" at 76.454,-78.613 h2
Top Solder:
  region: 50.47,-6.782 47.295,-6.782 47.295,-9.83 50.47,-9.83